# Altium PCB KlusterLab r2.0.PcbDoc (part 5 of 22) (continued)
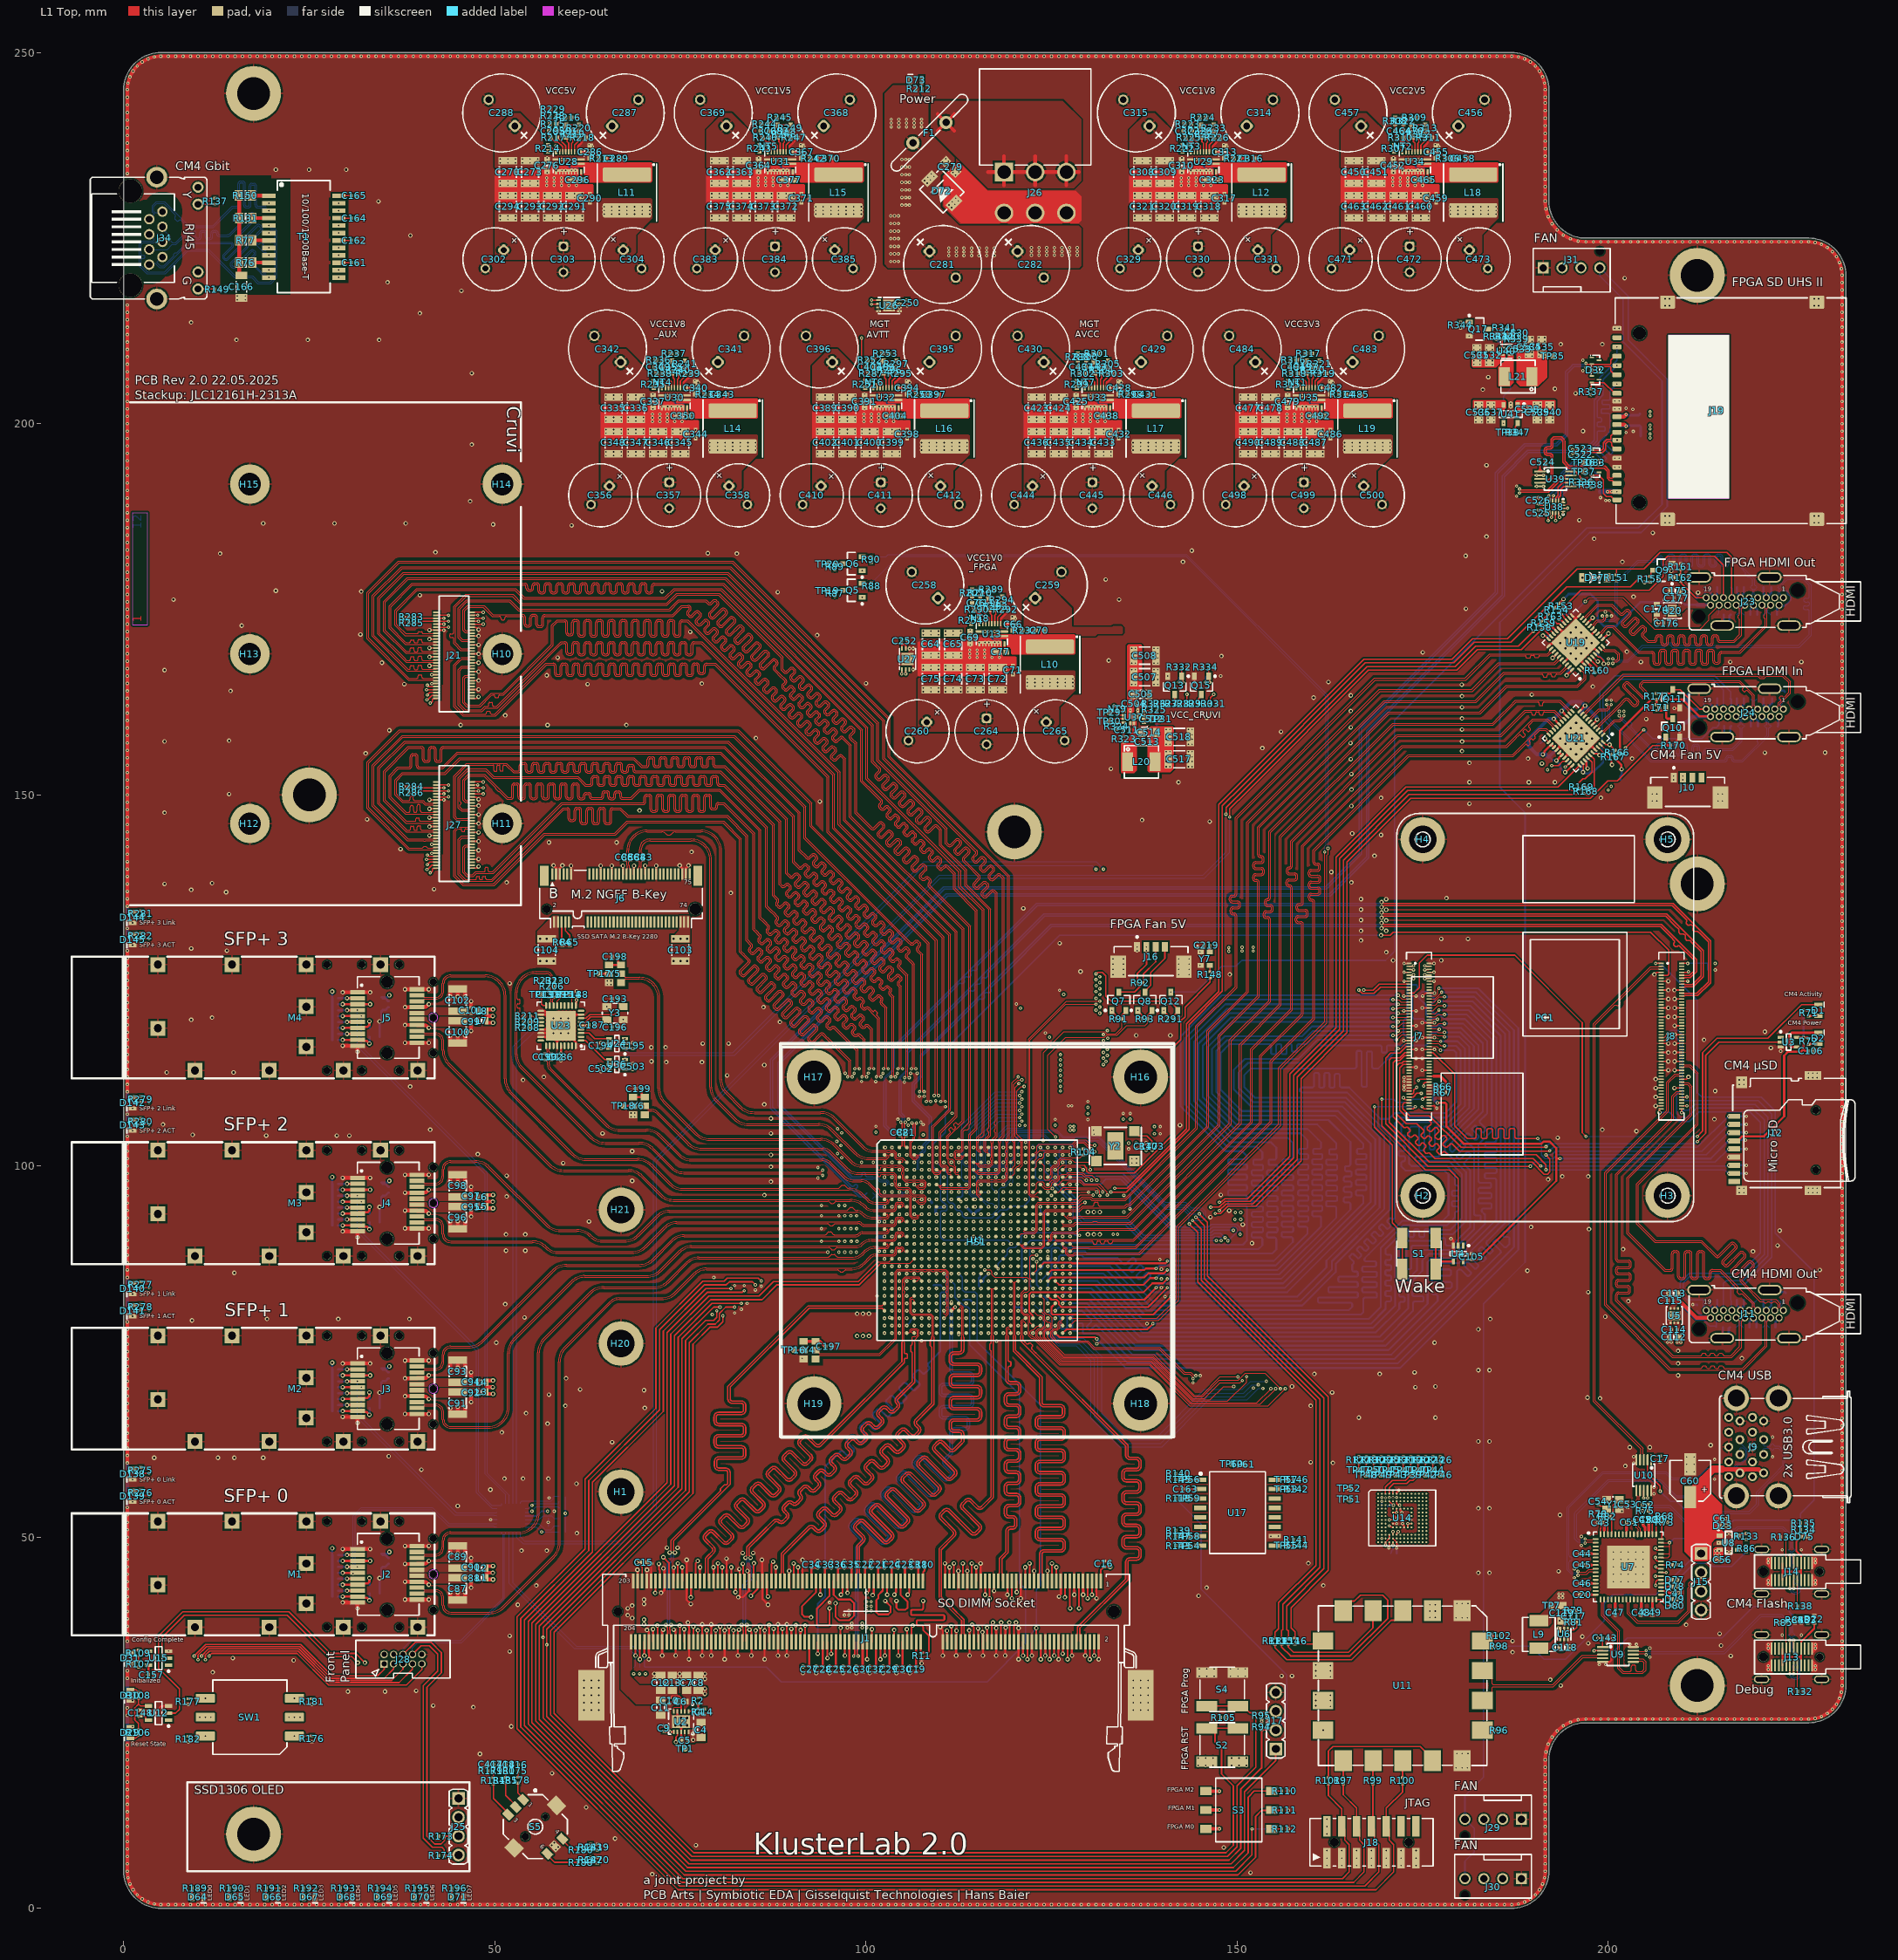
[diagram p0: L1 Top view]
## Nets (pads, with @x,y where several pads share a name; then routed paths per layer and width w, separated by ;. In a path a pad name is that pad's centre, name@x,y a point inside that pad or via, vN(x,y) a via of type N, cw(c..) or ccw(c..) an arc to the next point about the centre after c; other vN are vias at no path point) (continued)
CM4_GPIO10: J7.44 U1.Y25 | length 121.5
  L1 Top w0.1: J7.44@175.88,118.9 176.9,118.9 177.2,119.2 v1(177.93,119.2)
  L12 Bottom w0.249: v1(126.5,83.5) 127,84 130.8,84 137.2,77.6 168.7,77.6 171.723,80.623 171.843,80.743 171.843,81.446 cw(c172.092,81.446) 172.092,81.695 172.362,81.695 ccw(c172.362,81.905) 172.572,81.905 172.572,82.184 ccw(c172.362,82.184) 172.362,82.394 172.039,82.394 cw(c172.039,82.604) 171.829,82.604 171.829,82.883 cw(c172.039,82.883) 172.039,83.093 172.362,83.093 ccw(c172.362,83.303) 172.572,83.303 172.572,83.582 ccw(c172.362,83.582) 172.362,83.792 172.039,83.792 cw(c172.039,84.002) 171.829,84.002 171.829,84.281 cw(c172.039,84.281) 172.039,84.491 172.362,84.491 ccw(c172.362,84.701) 172.572,84.701 172.572,84.98 ccw(c172.362,84.98) 172.362,85.19 172.092,85.19 cw(c172.092,85.439) 171.843,85.439 171.843,85.882 171.843,88.721 171.858,88.736 172.385,89.263 172.537,89.263 cw(c172.537,89.014) 172.786,89.014 172.786,86.329 ccw(c172.996,86.329) 172.996,86.119 173.275,86.119 ccw(c173.275,86.329) 173.485,86.329 173.485,89.014 cw(c173.734,89.014) 173.734,89.263 174.137,89.263 176.987,89.263 177.112,89.263 ccw(c177.112,89.512) 177.361,89.512 177.361,90.076 cw(c177.57,90.076) 177.57,90.286 177.85,90.286 cw(c177.85,90.076) 178.06,90.076 178.06,89.512 ccw(c178.309,89.512) 178.309,89.263 178.753,89.263 178.897,89.263 181.386,91.752 181.386,99.435 181.124,99.697 181.036,99.785 180.651,100.17 cw(c180.827,100.346) 180.651,100.522 181.428,101.298 ccw(c181.279,101.447) 181.428,101.595 181.23,101.793 ccw(c181.082,101.644) 180.933,101.793 180.119,100.979 cw(c179.971,101.127) 179.823,100.979 179.625,101.176 cw(c179.773,101.325) 179.625,101.473 180.672,102.519 ccw(c180.523,102.668) 180.672,102.816 180.474,103.014 ccw(c180.326,102.865) 180.177,103.014 179.169,102.005 cw(c178.992,102.181) 178.816,102.005 178.728,102.093 178.67,102.151 178.67,102.927 183.1,107.357 183.1,116.543 180.442,119.201 v1(177.93,119.2)
CM4_GPIO11: J7.38 U1.AA25 | length 119.3
  L1 Top w0.1: J7.38@175.88,120.1 176.75,120.099 177.051,120.4 v1(177.93,120.4)
  L12 Bottom w0.249: v1(126.5,82.5) 127,83 130,83 136.6,76.4 169.6,76.4 173.698,80.498 173.698,80.677 173.698,81.501 cw(c173.947,81.501) 173.947,81.75 174.905,81.75 ccw(c174.905,81.959) 175.115,81.959 175.115,82.239 ccw(c174.905,82.239) 174.905,82.449 173.819,82.449 cw(c173.819,82.658) 173.609,82.658 173.609,82.938 cw(c173.819,82.938) 173.819,83.148 174.828,83.148 ccw(c174.828,83.357) 175.038,83.357 175.038,83.637 ccw(c174.828,83.637) 174.828,83.847 173.947,83.847 cw(c173.947,84.096) 173.698,84.096 173.698,84.601 ; 173.698,84.616 174.966,85.884 174.966,87.3 175.829,88.163 179.381,88.163 183.4,92.182 183.4,93.188 183.4,93.452 183.016,93.835 cw(c183.192,94.011) 183.192,94.26 184.086,94.26 ccw(c184.086,94.47) 184.296,94.47 184.296,94.75 ccw(c184.086,94.75) 184.086,94.959 182.716,94.959 cw(c182.716,95.169) 182.506,95.169 182.506,95.449 cw(c182.716,95.449) 182.716,95.658 184.086,95.658 ccw(c184.086,95.868) 184.296,95.868 184.296,96.148 ccw(c184.086,96.148) 184.086,96.357 182.716,96.357 cw(c182.716,96.567) 182.506,96.567 182.506,96.847 cw(c182.716,96.847) 182.716,97.056 184,97.056 ccw(c184,97.266) 184.21,97.266 184.21,97.546 ccw(c184,97.546) 184,97.755 182.766,97.755 cw(c182.766,98.004) 182.517,98.004 182.517,98.557 182.517,102.932 184.3,104.715 184.3,117.04 180.939,120.401 v1(177.93,120.4)
CM4_GPIO12: J7.31 U1.U22 | length 125
  L1 Top w0.1: v1(171,121.2) 171.7,121.2 171.8,121.3 J7.31@173.15,121.3
  L1 Top w0.249: U1.U22@123.5,86.5 123.975,86.974 127.697,86.974 127.771,86.9 140.354,86.9 140.6,87.146 v1(140.6,87.2)
  L12 Bottom w0.249: v1(140.6,87.2) 154.946,87.2 157.513,89.768 157.513,90.047 157.513,90.172 ccw(c157.264,90.172) 157.264,90.421 156.22,90.421 cw(c156.22,90.63) 156.011,90.63 156.011,90.91 cw(c156.22,90.91) 156.22,91.12 157.364,91.12 ccw(c157.364,91.329) 157.574,91.329 157.574,91.609 ccw(c157.364,91.609) 157.364,91.819 156.22,91.819 cw(c156.22,92.028) 156.011,92.028 156.011,92.308 cw(c156.22,92.308) 156.22,92.518 157.364,92.518 ccw(c157.364,92.727) 157.574,92.727 157.574,93.007 ccw(c157.364,93.007) 157.364,93.217 156.22,93.217 cw(c156.22,93.426) 156.011,93.426 156.011,93.706 cw(c156.22,93.706) 156.22,93.916 157.364,93.916 ccw(c157.364,94.125) 157.574,94.125 157.574,94.405 ccw(c157.364,94.405) 157.364,94.615 156.22,94.615 cw(c156.22,94.824) 156.011,94.824 156.011,95.104 cw(c156.22,95.104) 156.22,95.314 157.364,95.314 ccw(c157.364,95.523) 157.574,95.523 157.574,95.803 ccw(c157.364,95.803) 157.364,96.013 156.22,96.013 cw(c156.22,96.222) 156.011,96.222 156.011,96.502 cw(c156.22,96.502) 156.22,96.712 157.364,96.712 ccw(c157.364,96.921) 157.574,96.921 157.574,97.201 ccw(c157.364,97.201) 157.364,97.411 156.22,97.411 cw(c156.22,97.62) 156.011,97.62 156.011,97.9 cw(c156.22,97.9) 156.22,98.11 157.364,98.11 ccw(c157.364,98.319) 157.574,98.319 157.574,98.599 ccw(c157.364,98.599) 157.364,98.809 156.22,98.809 cw(c156.22,99.018) 156.011,99.018 156.011,99.298 cw(c156.22,99.298) 156.22,99.508 157.364,99.508 ccw(c157.364,99.717) 157.574,99.717 157.574,99.997 ccw(c157.364,99.997) 157.364,100.207 156.343,100.207 cw(c156.343,100.416) 156.134,100.416 156.134,100.696 cw(c156.343,100.696) 156.343,100.906 157.264,100.906 ccw(c157.264,101.155) 157.513,101.155 157.513,102.575 157.513,103.112 156.825,103.8 149.163,103.8 144.2,108.763 144.2,116.737 148.663,121.2 155.2,121.2 v1(171,121.2)
CM4_GPIO13: J7.28 U1.AC26 | length 116.2
  L1 Top w0.1: J7.28@175.88,122.1 176.568,122.1 177.268,122.8 v1(177.93,122.8)
  L12 Bottom w0.249: v1(127.5,80.5) 129.1,80.5 129.713,79.887 129.801,79.799 130.296,79.304 cw(c130.119,79.128) 130.296,78.952 129.831,78.488 ccw(c129.979,78.34) 129.831,78.191 130.029,77.994 ccw(c130.177,78.142) 130.325,77.994 130.79,78.458 cw(c130.966,78.282) 131.142,78.458 131.324,78.276 131.413,78.187 135.6,74 171.2,74 185.377,88.177 185.465,88.265 ccw(c185.288,88.441) 185.465,88.617 184.563,89.518 cw(c184.711,89.667) 184.563,89.815 184.761,90.013 cw(c184.909,89.864) 185.057,90.013 185.959,89.111 ccw(c186.135,89.287) 186.311,89.111 186.602,89.402 186.7,89.5 186.7,89.575 186.7,90.194 ccw(c186.451,90.194) 186.451,90.443 186.056,90.443 cw(c186.056,90.653) 185.846,90.653 185.846,90.932 cw(c186.056,90.932) 186.056,91.142 186.451,91.142 ccw(c186.451,91.391) 186.7,91.391 186.7,92.214 186.7,118.034 181.933,122.801 v1@177.93,122.801
CM4_GPIO14: J7.55 U1.U25 | length 122
  L1 Top w0.1: v1(171.7,115.8) 171.715,115.815 172.015,115.815 172.7,116.5 J7.55@173.15,116.5
  L12 Bottom w0.249: v1(126.5,86.5) 127,87 133.4,87 138.6,81.8 158.502,81.8 162.775,86.074 162.775,87.162 169.806,94.193 169.806,104.094 164.7,109.2 152.4,109.2 150.939,110.661 150.939,112.23 151.857,113.148 165.713,113.148 165.837,113.148 ccw(c165.837,113.397) 166.086,113.397 166.086,115.3 cw(c166.296,115.3) 166.296,115.51 166.575,115.51 cw(c166.575,115.3) 166.785,115.3 166.785,110.87 ccw(c166.995,110.87) 166.995,110.66 167.274,110.66 ccw(c167.274,110.87) 167.484,110.87 167.484,115.231 cw(c167.694,115.231) 167.694,115.441 167.973,115.441 cw(c167.973,115.231) 168.183,115.231 168.183,113.397 ccw(c168.432,113.397) 168.432,113.148 168.949,113.148 169.048,113.148 v1(171.7,115.8)
CM4_GPIO15: J7.51 U1.W26 | length 119.9
  L1 Top w0.1: J7.51@173.15,117.3 173.65,117.3 v1(174.175,117.825)
  L12 Bottom w0.249: v1(127.5,84.5) 131.2,84.5 137.5,78.2 168.3,78.2 171.276,81.176 171.276,89.012 172.172,89.907 176.317,89.907 177.224,90.814 179.083,90.814 180.843,92.574 180.843,99.182 178,102.025 178,103.106 182.5,107.606 182.5,116.294 180.193,118.601 177.799,118.601 177.475,118.925 176.975,118.925 176.781,118.731 176.172,118.731 175.093,119.81 173.851,119.81 173.601,120.06 173.601,123.201 174.275,123.875 174.275,124.254 174.12,124.409 173.117,124.409 172.923,124.215 172.923,120.057 172.412,119.547 172.412,117.838 172.95,117.3 173.65,117.3 v1(174.175,117.825)
CM4_GPIO16: J7.29 U1.Y22 | length 124.8
  L1 Top w0.1: v1(171.7,121.8) 171.75,121.75 J7.29@173.1,121.75 ; J7.29@173.15,121.7 J7.29@173.1,121.75 ; J7.29@173.15,121.75 J7.29@173.1,121.75
  L12 Bottom w0.249: v1(123.5,83.5) 123,84 123,85.8 123.3,86.1 123.5,86.1 123.8,86.4 123.8,86.9 124,87.1 124.7,87.1 125,87.4 125,88.8 125.2,89 125.9,89 126.4,88.5 129.5,88.5 129.8,88.2 154.725,88.2 155.275,88.75 155.275,89.994 155.275,90.119 ccw(c155.026,90.119) 155.026,90.368 154.243,90.368 cw(c154.243,90.578) 154.034,90.578 154.034,90.857 cw(c154.243,90.857) 154.243,91.067 155.241,91.067 ccw(c155.241,91.277) 155.451,91.277 155.451,91.556 ccw(c155.241,91.556) 155.241,91.766 154.243,91.766 cw(c154.243,91.976) 154.034,91.976 154.034,92.255 cw(c154.243,92.255) 154.243,92.465 155.241,92.465 ccw(c155.241,92.675) 155.451,92.675 155.451,92.954 ccw(c155.241,92.954) 155.241,93.164 154.243,93.164 cw(c154.243,93.374) 154.034,93.374 154.034,93.653 cw(c154.243,93.653) 154.243,93.863 155.241,93.863 ccw(c155.241,94.073) 155.451,94.073 155.451,94.352 ccw(c155.241,94.352) 155.241,94.562 154.243,94.562 cw(c154.243,94.772) 154.034,94.772 154.034,95.051 cw(c154.243,95.051) 154.243,95.261 155.241,95.261 ccw(c155.241,95.471) 155.451,95.471 155.451,95.75 ccw(c155.241,95.75) 155.241,95.96 154.243,95.96 cw(c154.243,96.17) 154.034,96.17 154.034,96.449 cw(c154.243,96.449) 154.243,96.659 155.241,96.659 ccw(c155.241,96.869) 155.451,96.869 155.451,97.148 ccw(c155.241,97.148) 155.241,97.358 154.243,97.358 cw(c154.243,97.568) 154.034,97.568 154.034,97.847 cw(c154.243,97.847) 154.243,98.057 155.241,98.057 ccw(c155.241,98.267) 155.451,98.267 155.451,98.546 ccw(c155.241,98.546) 155.241,98.756 154.243,98.756 cw(c154.243,98.966) 154.034,98.966 154.034,99.245 cw(c154.243,99.245) 154.243,99.455 155.241,99.455 ccw(c155.241,99.665) 155.451,99.665 155.451,99.944 ccw(c155.241,99.944) 155.241,100.154 154.439,100.154 cw(c154.439,100.364) 154.229,100.364 154.229,100.643 cw(c154.439,100.643) 154.439,100.853 155.026,100.853 ccw(c155.026,101.102) 155.275,101.102 155.275,102.401 155.275,102.475 154.55,103.2 148.915,103.2 143.6,108.515 143.6,116.985 148.415,121.8 155.2,121.8 v1(171.7,121.8)
CM4_GPIO17: J7.50 U1.W25 | length 121.8
  L1 Top w0.1: J7.50@175.88,117.7 176.8,117.7 176.95,117.55 177.696,117.55 177.846,117.4 v1(177.93,117.4)
  L12 Bottom w0.249: v1(126.5,84.5) 127,85 131.6,85 137.2,79.4 167.748,79.4 169.351,81.003 169.351,88.962 172.394,92.004 178.288,92.004 178.841,92.557 179.339,93.055 179.339,93.629 cw(c179.588,93.629) 179.588,93.878 ccw(c179.589,94.088) 179.798,94.088 179.798,94.368 ccw(c179.589,94.368) 179.589,94.577 179.151,94.577 cw(c179.151,94.787) 178.941,94.787 178.941,95.067 cw(c179.151,95.067) 179.151,95.276 179.589,95.276 ccw(c179.589,95.486) 179.798,95.486 179.798,95.766 ccw(c179.589,95.766) 179.589,95.975 179.151,95.975 cw(c179.151,96.185) 178.941,96.185 178.941,96.465 cw(c179.151,96.465) 179.151,96.674 179.589,96.674 ccw(c179.589,96.884) 179.798,96.884 179.798,97.164 ccw(c179.589,97.164) 179.589,97.373 cw(c179.588,97.622) 179.339,97.622 179.339,98.751 179.339,98.914 178.253,100 173.477,100 173.189,100.288 173.189,105.046 173.446,105.303 173.464,105.321 174.269,105.321 cw(c174.269,105.072) 174.518,105.072 174.518,102.301 ccw(c174.728,102.301) 174.728,102.092 175.007,102.092 ccw(c175.007,102.301) 175.217,102.301 175.217,105.124 cw(c175.427,105.124) 175.427,105.333 175.706,105.333 cw(c175.706,105.124) 175.916,105.124 175.916,102.431 ccw(c176.126,102.431) 176.126,102.221 176.405,102.221 ccw(c176.405,102.431) 176.615,102.431 176.615,105.072 cw(c176.864,105.072) 176.864,105.321 177.856,105.321 178.766,105.321 181.3,107.854 181.3,116.046 179.945,117.401 v1@177.93,117.401
CM4_GPIO18: J7.49 U1.Y23 | length 121.7
  L1 Top w0.1: v1(171.5,117) 172.2,117.7 J7.49@173.15,117.7
  L12 Bottom w0.249: v1(124.5,83.5) 124.5,84.877 125,85.377 125,86.7 125.3,87 125.7,87 126,87.3 126,87.8 126.2,88 129,88 129.4,87.6 133.9,87.6 134.601,86.899 134.689,86.811 ccw(c134.865,86.987) 135.042,86.811 135.819,87.588 cw(c135.968,87.44) 136.116,87.588 136.314,87.391 cw(c136.165,87.242) 136.314,87.094 135.504,86.285 ccw(c135.653,86.137) 135.504,85.988 135.702,85.791 ccw(c135.85,85.939) 135.999,85.791 136.808,86.6 cw(c136.956,86.452) 137.104,86.6 137.302,86.402 cw(c137.154,86.254) 137.302,86.106 136.493,85.296 ccw(c136.641,85.148) 136.493,85 136.691,84.802 ccw(c136.839,84.95) 136.987,84.802 137.758,85.573 cw(c137.906,85.424) 138.054,85.573 138.252,85.375 cw(c138.104,85.227) 138.252,85.078 137.513,84.339 ccw(c137.689,84.163) 137.513,83.987 137.854,83.646 137.942,83.558 138.5,83 156.754,83 168.615,94.86 168.615,103.585 164.2,108 151.903,108 149.537,110.366 149.537,112.905 151.072,114.441 158.257,114.441 160.816,117 v1(171.5,117)
CM4_GPIO19: J7.26 U1.AC23 | length 121.5
  L1 Top w0.1: J7.26@175.88,122.5 176.653,122.5 v1@177.55,123.397
  L12 Bottom w0.249: v1(124.5,80.5) 125.002,79.998 125.777,79.998 126.146,79.629 126.146,78.257 126.331,78.072 126.733,78.072 126.857,78.072 ccw(c126.857,78.321) 127.106,78.321 127.106,79.724 cw(c127.316,79.724) 127.316,79.934 127.595,79.934 cw(c127.595,79.724) 127.805,79.724 127.805,78.042 ccw(c128.015,78.042) 128.015,77.833 128.294,77.833 ccw(c128.294,78.042) 128.504,78.042 128.504,78.631 cw(c128.714,78.631) 128.714,78.841 128.993,78.841 cw(c128.993,78.631) 129.203,78.631 129.203,77.639 ccw(c129.452,77.639) 129.452,77.39 129.85,77.39 131.31,77.39 135.3,73.4 171.6,73.4 187.3,89.1 187.3,118.282 182.182,123.401 v1(177.55,123.4)
CM4_GPIO20: J7.27 U1.Y21 | length 125.5
  L1 Top w0.1: v1(171,122.4) 171.8,122.4 172.1,122.1 J7.27@173.15,122.1
  L12 Bottom w0.249: v1(122.5,83.5) 122.051,83.949 122.051,88.854 122.196,89 124.706,89 125.206,89.5 126.2,89.5 126.7,89 129.9,89 130.1,88.8 152.875,88.8 153.403,89.328 153.403,89.995 153.403,90.119 ccw(c153.154,90.119) 153.154,90.368 152.185,90.368 cw(c152.185,90.578) 151.976,90.578 151.976,90.858 cw(c152.185,90.858) 152.185,91.067 153.291,91.067 ccw(c153.291,91.277) 153.501,91.277 153.501,91.557 ccw(c153.291,91.557) 153.291,91.766 152.185,91.766 cw(c152.185,91.976) 151.976,91.976 151.976,92.256 cw(c152.185,92.256) 152.185,92.465 153.291,92.465 ccw(c153.291,92.675) 153.501,92.675 153.501,92.955 ccw(c153.291,92.955) 153.291,93.164 152.185,93.164 cw(c152.185,93.374) 151.976,93.374 151.976,93.654 cw(c152.185,93.654) 152.185,93.863 153.291,93.863 ccw(c153.291,94.073) 153.501,94.073 153.501,94.353 ccw(c153.291,94.353) 153.291,94.562 152.185,94.562 cw(c152.185,94.772) 151.976,94.772 151.976,95.052 cw(c152.185,95.052) 152.185,95.261 153.291,95.261 ccw(c153.291,95.471) 153.501,95.471 153.501,95.751 ccw(c153.291,95.751) 153.291,95.96 152.185,95.96 cw(c152.185,96.17) 151.976,96.17 151.976,96.45 cw(c152.185,96.45) 152.185,96.659 153.291,96.659 ccw(c153.291,96.869) 153.501,96.869 153.501,97.149 ccw(c153.291,97.149) 153.291,97.358 152.185,97.358 cw(c152.185,97.568) 151.976,97.568 151.976,97.848 cw(c152.185,97.848) 152.185,98.057 153.291,98.057 ccw(c153.291,98.267) 153.501,98.267 153.501,98.547 ccw(c153.291,98.547) 153.291,98.756 152.185,98.756 cw(c152.185,98.966) 151.976,98.966 151.976,99.246 cw(c152.185,99.246) 152.185,99.455 153.291,99.455 ccw(c153.291,99.665) 153.501,99.665 153.501,99.945 ccw(c153.291,99.945) 153.291,100.154 152.386,100.154 cw(c152.386,100.364) 152.176,100.364 152.176,100.644 cw(c152.386,100.644) 152.386,100.853 153.154,100.853 ccw(c153.154,101.102) 153.403,101.102 153.403,101.852 153.328,101.927 152.655,102.6 148.666,102.6 143,108.266 143,117.234 148.166,122.4 155.2,122.4 v1(171,122.4)
CM4_GPIO21: J7.25 U1.W20 | length 125.2
  L1 Top w0.1: v1(171.7,123) 172.2,122.5 J7.25@173.15,122.5
  L12 Bottom w0.249: v1(121.5,84.5) 121,85 121,88.8 122.2,90 126.65,90 126.95,89.7 130.5,89.7 130.804,89.396 150.78,89.396 151.322,89.937 151.322,94.267 151.322,94.392 ccw(c151.073,94.392) 151.073,94.641 148.996,94.641 cw(c148.996,94.85) 148.787,94.85 148.787,95.13 cw(c148.996,95.13) 148.996,95.34 151.135,95.34 ccw(c151.135,95.549) 151.345,95.549 151.345,95.829 ccw(c151.135,95.829) 151.135,96.039 148.996,96.039 cw(c148.996,96.248) 148.787,96.248 148.787,96.528 cw(c148.996,96.528) 148.996,96.738 151.135,96.738 ccw(c151.135,96.947) 151.345,96.947 151.345,97.227 ccw(c151.135,97.227) 151.135,97.437 148.996,97.437 cw(c148.996,97.646) 148.787,97.646 148.787,97.926 cw(c148.996,97.926) 148.996,98.136 151.135,98.136 ccw(c151.135,98.345) 151.345,98.345 151.345,98.625 ccw(c151.135,98.625) 151.135,98.835 148.996,98.835 cw(c148.996,99.044) 148.787,99.044 148.787,99.324 cw(c148.996,99.324) 148.996,99.534 151.135,99.534 ccw(c151.135,99.743) 151.345,99.743 151.345,100.023 ccw(c151.135,100.023) 151.135,100.233 149.022,100.233 cw(c149.022,100.442) 148.813,100.442 148.813,100.722 cw(c149.022,100.722) 149.022,100.932 151.073,100.932 ccw(c151.073,101.181) 151.322,101.181 151.322,101.333 150.974,101.68 150.654,102 148.418,102 142.4,108.018 142.4,117.482 147.918,123 155.2,123 v1(171.7,123)
CM4_GPIO22: J7.46 U1.AB24 | length 118.5
  L1 Top w0.1: J7.46@175.88,118.5 176.811,118.5 176.891,118.42 v1(177.236,118.42)
  L1 Top w0.249: U1.AB24@125.5,81.5 125,81 125,80.146 125.146,80 138.7,80 v1(141.1,82.4)
  L12 Bottom w0.249: v1(141.1,82.4) 158.102,82.4 162.039,86.338 162.039,87.248 169.21,94.419 169.21,103.89 164.5,108.6 152.151,108.6 150.228,110.523 150.228,112.625 151.494,113.891 158.595,113.891 160.954,116.25 168.389,116.25 169.212,116.25 cw(c169.212,116.001) 169.461,116.001 169.461,115.484 ccw(c169.671,115.484) 169.671,115.275 169.951,115.275 ccw(c169.951,115.484) 170.16,115.484 170.16,116.001 cw(c170.409,116.001) 170.409,116.25 170.994,116.25 175.425,116.25 175.925,116.75 175.925,117.575 176.328,117.978 176.794,117.978 v1(177.236,118.42)
CM4_GPIO23: J7.47 U1.AA23 | length 119.1
  L1 Top w0.1: v1(171,117.6) 171.7,117.6 172.2,118.1 J7.47@173.15,118.1
  L1 Top w0.249: U1.AA23@124.5,82.5 125,82 125.671,82 126,81.671 126,81.329 126.329,81 138,81 v1(140.6,83.6)
  L12 Bottom w0.249: v1(140.6,83.6) 156.437,83.6 168,95.163 168,103 163.6,107.4 150.654,107.4 147.8,110.254 147.8,115.255 148.945,116.4 153.498,116.4 154.322,116.4 cw(c154.322,116.151) 154.571,116.151 154.571,115.276 ccw(c154.78,115.276) 154.78,115.066 155.06,115.066 ccw(c155.06,115.276) 155.27,115.276 155.27,116.204 cw(c155.479,116.204) 155.479,116.414 155.759,116.414 cw(c155.759,116.204) 155.969,116.204 155.969,115.276 ccw(c156.178,115.276) 156.178,115.066 156.458,115.066 ccw(c156.458,115.276) 156.668,115.276 156.668,116.204 cw(c156.877,116.204) 156.877,116.414 157.157,116.414 cw(c157.157,116.204) 157.367,116.204 157.367,115.601 ccw(c157.576,115.601) 157.576,115.392 157.856,115.392 ccw(c157.856,115.601) 158.066,115.601 158.066,116.151 cw(c158.315,116.151) 158.315,116.4 159.025,116.4 159.325,116.4 160.525,117.6 v1(171,117.6)
CM4_GPIO24: J7.45 U1.AA24 | length 121.6
  L1 Top w0.1: v1(171.7,118.2) 172,118.5 J7.45@173.15,118.5
  L1 Top w0.249: U1.AA24@125.5,82.5 125.548,82.452 125.848,82.452 126.3,82 137.5,82 v1(139.1,83.6)
  L12 Bottom w0.249: v1(139.1,83.6) 139.7,84.2 156.188,84.2 167,95.012 167,95.658 167,95.782 ccw(c166.751,95.782) 166.751,96.031 166.216,96.031 cw(c166.216,96.241) 166.006,96.241 166.006,96.521 cw(c166.216,96.521) 166.216,96.73 167.208,96.73 ccw(c167.208,96.94) 167.417,96.94 167.417,97.22 ccw(c167.208,97.22) 167.208,97.429 166.216,97.429 cw(c166.216,97.639) 166.006,97.639 166.006,97.919 cw(c166.216,97.919) 166.216,98.128 167.208,98.128 ccw(c167.208,98.338) 167.417,98.338 167.417,98.618 ccw(c167.208,98.618) 167.208,98.827 166.216,98.827 cw(c166.216,99.037) 166.006,99.037 166.006,99.317 cw(c166.216,99.317) 166.216,99.526 167.208,99.526 ccw(c167.208,99.736) 167.417,99.736 167.417,100.016 ccw(c167.208,100.016) 167.208,100.225 166.216,100.225 cw(c166.216,100.435) 166.006,100.435 166.006,100.715 cw(c166.216,100.715) 166.216,100.924 167.208,100.924 ccw(c167.208,101.134) 167.417,101.134 167.417,101.414 ccw(c167.208,101.414) 167.208,101.623 166.356,101.623 cw(c166.356,101.833) 166.146,101.833 166.146,102.113 cw(c166.356,102.113) 166.356,102.322 166.751,102.322 ccw(c166.751,102.571) 167,102.571 167,103 166.509,103.491 163.2,106.8 150.406,106.8 147.2,110.006 147.2,115.494 148.656,116.95 158.975,116.95 160.225,118.2 v1(171.7,118.2)
CM4_GPIO25: J7.41 U1.AD21 | length 122.1
  L1 Top w0.1: v1(171,118.8) 171.8,118.8 172.3,119.3 J7.41@173.15,119.3
  L1 Top w0.249: U1.AD21@122.5,79.5 122.473,79.527 122.473,79.856 122,80.329 122,82.725 122.275,83 137.4,83 138.6,84.2 140,84.2 v1(140.6,84.8)
  L12 Bottom w0.249: v1(140.6,84.8) 155.94,84.8 165.272,94.133 165.272,94.725 165.272,94.85 ccw(c165.023,94.85) 165.023,95.099 164.587,95.099 cw(c164.587,95.308) 164.378,95.308 164.378,95.588 cw(c164.587,95.588) 164.587,95.798 165.206,95.798 ccw(c165.206,96.007) 165.416,96.007 165.416,96.287 ccw(c165.206,96.287) 165.206,96.497 164.587,96.497 cw(c164.587,96.706) 164.378,96.706 164.378,96.986 cw(c164.587,96.986) 164.587,97.196 165.206,97.196 ccw(c165.206,97.405) 165.416,97.405 165.416,97.685 ccw(c165.206,97.685) 165.206,97.895 164.587,97.895 cw(c164.587,98.104) 164.378,98.104 164.378,98.384 cw(c164.587,98.384) 164.587,98.594 165.206,98.594 ccw(c165.206,98.803) 165.416,98.803 165.416,99.083 ccw(c165.206,99.083) 165.206,99.292 164.756,99.292 cw(c164.756,99.502) 164.546,99.502 164.546,99.782 cw(c164.756,99.782) 164.756,99.991 165.023,99.991 ccw(c165.023,100.24) 165.272,100.24 165.272,101.425 165.272,103.228 162.3,106.2 150.157,106.2 146.6,109.757 146.6,115.743 148.332,117.475 158.75,117.475 160.075,118.8 v1(171,118.8)
CM4_GPIO26: J7.24 U1.AF24 | length 115.8
  L1 Top w0.1: J7.24@175.88,122.9 176.718,122.9 177.023,123.205 177.023,123.716 177.2,123.894 v1(177.2,123.95)
  L1 Top w0.249: U1.AF24@125.5,77.5 126.041,76.959 130.841,76.959 v1@131.1,76.7
  L12 Bottom w0.249: v1@131.1,76.7 135,72.8 171.958,72.8 187.888,88.731 187.888,118.562 182.5,123.95 v1(177.2,123.95)
  other v1: 131.102,76.7
CM4_GPIO27: J7.48 U1.AF25 | length 115.1
  L1 Top w0.1: J7.48@175.88,118.1 176.95,118.1 177.05,118 v1(177.93,118.001)
  L1 Top w0.249: U1.AF25@126.5,77.5 127,78 137.9,78 v1(138.65,78.75)
  L12 Bottom w0.249: v1(138.65,78.75) 168,78.75 169.942,80.692 169.994,80.744 169.994,81.516 cw(c170.243,81.516) 170.243,81.765 170.54,81.765 ccw(c170.54,81.974) 170.75,81.974 170.75,82.254 ccw(c170.54,82.254) 170.54,82.464 170.182,82.464 cw(c170.182,82.673) 169.972,82.673 169.972,82.953 cw(c170.182,82.953) 170.182,83.163 170.54,83.163 ccw(c170.54,83.372) 170.75,83.372 170.75,83.652 ccw(c170.54,83.652) 170.54,83.862 170.182,83.862 cw(c170.182,84.071) 169.972,84.071 169.972,84.351 cw(c170.182,84.351) 170.182,84.561 170.54,84.561 ccw(c170.54,84.77) 170.75,84.77 170.75,85.05 ccw(c170.54,85.05) 170.54,85.26 170.182,85.26 cw(c170.182,85.469) 169.972,85.469 169.972,85.749 cw(c170.182,85.749) 170.182,85.959 170.54,85.959 ccw(c170.54,86.168) 170.75,86.168 170.75,86.448 ccw(c170.54,86.448) 170.54,86.658 170.182,86.658 cw(c170.182,86.867) 169.972,86.867 169.972,87.147 cw(c170.182,87.147) 170.182,87.357 170.54,87.357 ccw(c170.54,87.566) 170.75,87.566 170.75,87.846 ccw(c170.54,87.846) 170.54,88.056 170.243,88.056 cw(c170.243,88.305) 169.994,88.305 169.994,88.794 170.106,88.906 172.212,91.012 172.601,91.401 172.891,91.401 cw(c172.891,91.152) 173.14,91.152 173.14,90.628 ccw(c173.35,90.628) 173.35,90.419 173.629,90.419 ccw(c173.629,90.628) 173.839,90.628 173.839,91.274 cw(c174.049,91.274) 174.049,91.483 174.328,91.483 cw(c174.328,91.274) 174.538,91.274 174.538,90.632 ccw(c174.748,90.632) 174.748,90.422 175.027,90.422 ccw(c175.027,90.632) 175.237,90.632 175.237,91.274 cw(c175.447,91.274) 175.447,91.483 175.726,91.483 cw(c175.726,91.274) 175.936,91.274 175.936,91.152 ccw(c176.146,91.152) 176.146,90.942 176.425,90.942 ccw(c176.425,91.152) 176.635,91.152 cw(c176.884,91.152) 176.884,91.401 177.483,91.401 178.711,91.401 180.297,92.988 180.297,98.9 178.548,100.65 174.144,100.65 173.998,100.796 173.998,101.123 174.154,101.279 177.158,101.279 177.5,101.621 177.5,103.35 181.9,107.75 181.9,116.15 180.049,118.001 v1(177.93,118.001)
CM4_OTG_ID: J8.101 R134.2 R135.2 U10.2 | length 117.5
  L1 Top w0.15: U10.2@205.286,60.416 205.284,60.413 205.284,58.616 207,56.9 v1@207,56.2 ; v1(206.4,127.3) J8.101@207.15,127.3 ; R134.2@225.905,51 R135.2@225.905,51.9
  L12 Bottom w0.15: v1(206.4,127.3) 207,127.3 212,122.3 212,109.9 212.6,109.3 220.6,109.3 222.5,107.4 222.5,90.95 227.7,85.75 227.7,55 225.9,53.2 v1(225.9,51.9) 225.099,51.9 224.698,52.301 216.901,52.301 216.6,52 214.7,52 214.05,52.65 211.35,52.65 209.2,54.8 208.394,54.8 v1(206.997,56.197)
CM4_USB_N: J8.103 U10.4 | length 73.8
  L1 Top w0.146: U10.4@204.287,60.416 204.287,61.084 204.4,61.198 204.4,61.85 198,68.25 198,119.149 205.675,126.823 206.823,126.823 206.9,126.9 J8.103@207.15,126.9
CM4_USB_P: J8.105 U10.3 | length 73.8
  L1 Top w0.146: U10.3@204.786,60.416 204.786,61.084 204.673,61.198 204.673,61.964 198.246,68.39 198.246,119.046 200.4,121.2 200.874,121.674 201.084,121.674 201.146,121.612 201.357,121.612 201.568,121.823 201.568,122.033 201.506,122.095 201.506,122.306 202.95,123.75 205.777,126.577 206.823,126.577 206.9,126.5 J8.105@207.15,126.5
CM4_USB_US_N: U7.54 U10.6 | length 6.1
  L1 Top w0.146: U10.6@203.786,56.283 203.786,55.615 203.9,55.502 203.9,55.136 203.777,55.013 203.777,51.287 203.857,51.207 204.063,51 204.063,50.813 203.95,50.699 U7.54@203.95,50.4
CM4_USB_US_P: U7.53 U10.7 | length 6.1
  L1 Top w0.146: U10.7@204.287,56.283 204.287,55.615 204.173,55.502 204.173,55.023 204.05,54.9 204.05,51.4 204.336,51.114 204.336,50.813 204.45,50.699 U7.53@204.45,50.4
CM4_µSD_CLK: D20.2 J7.57 J12.5 | length 62.9
  L1 Top w0.15: J7.57@173.15,116.1 173.125,116.075 172.775,116.075 171.9,115.2 170.7,115.2 170,114.5 170,105.685 175.718,99.966 v1(189.51,99.966)
  L12 Bottom w0.15: v1(189.51,99.966) 190.044,100.5 214.4,100.5 v1(216.2,102.3) D20.2@216.975,102.3
CM4_µSD_CMD: D21.2 J7.62 J12.3 | length 63
  L1 Top w0.15: J7.62@175.88,115.3 176.4,115.3 179.3,112.4 179.3,105.4 181,103.7 181.947,103.7 182.022,103.7 182.172,103.85 182.172,104.894 182.322,105.044 182.772,105.044 182.922,104.894 182.922,103.838 183.072,103.688 183.522,103.688 183.672,103.838 183.672,104.894 183.822,105.044 184.272,105.044 184.422,104.894 184.422,103.838 184.572,103.688 185.022,103.688 185.172,103.838 185.172,104.894 185.322,105.044 185.772,105.044 185.922,104.894 185.922,103.838 186.072,103.688 186.522,103.688 186.672,103.838 186.672,104.894 186.822,105.044 187.272,105.044 187.422,104.894 187.422,103.85 187.572,103.7 188.125,103.7 v1(190.5,103.7)
  L12 Bottom w0.15: v1(190.5,103.7) 191,103.2 191,101.45 191.45,101 192.606,101 193.106,101.5 213.2,101.5 v1(216.2,104.5) D21.2@216.975,104.5
CM4_µSD_DAT0: D16.2 J7.63 J12.7 | length 61.7
  L1 Top w0.15: J7.63@173.15,114.9 173.125,114.875 172.575,114.875 171.9,114.2 171.3,114.2 171,113.9 171,106.652 172.143,105.508 172.494,105.158 172.706,105.158 172.758,105.209 172.97,105.209 173.288,104.891 173.288,104.679 172.989,104.38 172.989,104.167 173.307,103.849 173.519,103.849 173.819,104.149 174.031,104.149 174.349,103.831 174.349,103.618 174.049,103.319 174.049,103.107 174.368,102.789 174.58,102.789 174.879,103.088 175.091,103.088 175.41,102.77 175.41,102.558 175.11,102.258 175.11,102.046 175.428,101.728 175.64,101.728 175.676,101.764 175.888,101.764 175.941,101.71 176.652,101 189.9,101 v1(190.9,100)
  L12 Bottom w0.15: v1(190.9,100) v1@190.925,100.025 ; v1@190.9,100.025 v1@190.925,100.025 ; D16.2@216.975,100.1 v1(216.2,100.1) 216.125,100.025 v1@190.925,100.025
CM4_µSD_DAT1: D17.2 J7.67 J12.8 | length 61.1
  L1 Top w0.15: J7.67@173.15,114.1 172.446,114.1 172.196,113.85 171.85,113.85 171.5,113.5 171.5,107 172.786,105.714 173.869,105.714 174.206,105.714 175.128,104.792 175.128,104.58 174.806,104.258 174.806,104.046 175.124,103.728 175.336,103.728 175.659,104.05 175.871,104.05 176.189,103.732 176.189,103.52 175.866,103.197 175.866,102.985 176.184,102.667 176.397,102.667 176.719,102.99 176.931,102.99 177.25,102.672 177.25,102.459 176.927,102.137 176.927,101.925 177.245,101.606 177.457,101.606 177.779,101.929 177.992,101.929 178.045,101.876 178.42,101.5 190.3,101.5 191.6,100.2 v1(191.6,99.5)
  L12 Bottom w0.15: v1(191.6,99.5) 215.7,99.5 v1(216.2,99) D17.2@216.975,99
CM4_µSD_DAT2: D18.2 J7.69 J12.1 | length 61.6
  L1 Top w0.15: J7.69@173.15,113.7 172.4,113.7 171.9,113.2 171.9,107.5 173.185,106.215 175.656,106.215 175.77,106.215 176.114,105.87 176.114,105.658 175.617,105.161 175.617,104.949 175.935,104.631 176.148,104.631 176.668,105.151 176.881,105.151 177.199,104.833 177.199,104.621 176.678,104.1 176.678,103.888 176.996,103.57 177.208,103.57 177.729,104.091 177.941,104.091 178.259,103.773 178.259,103.56 177.739,103.04 177.739,102.827 178.057,102.509 178.269,102.509 178.766,103.006 178.978,103.006 179.031,102.953 179.985,102 192.066,102 v1(192.118,102.052)
  L12 Bottom w0.15: v1(192.118,102.052) 192.566,102.5 212,102.5 v1(216.2,106.7) D18.2@216.975,106.7